# KiCad board panel.kicad_pcb (continued)
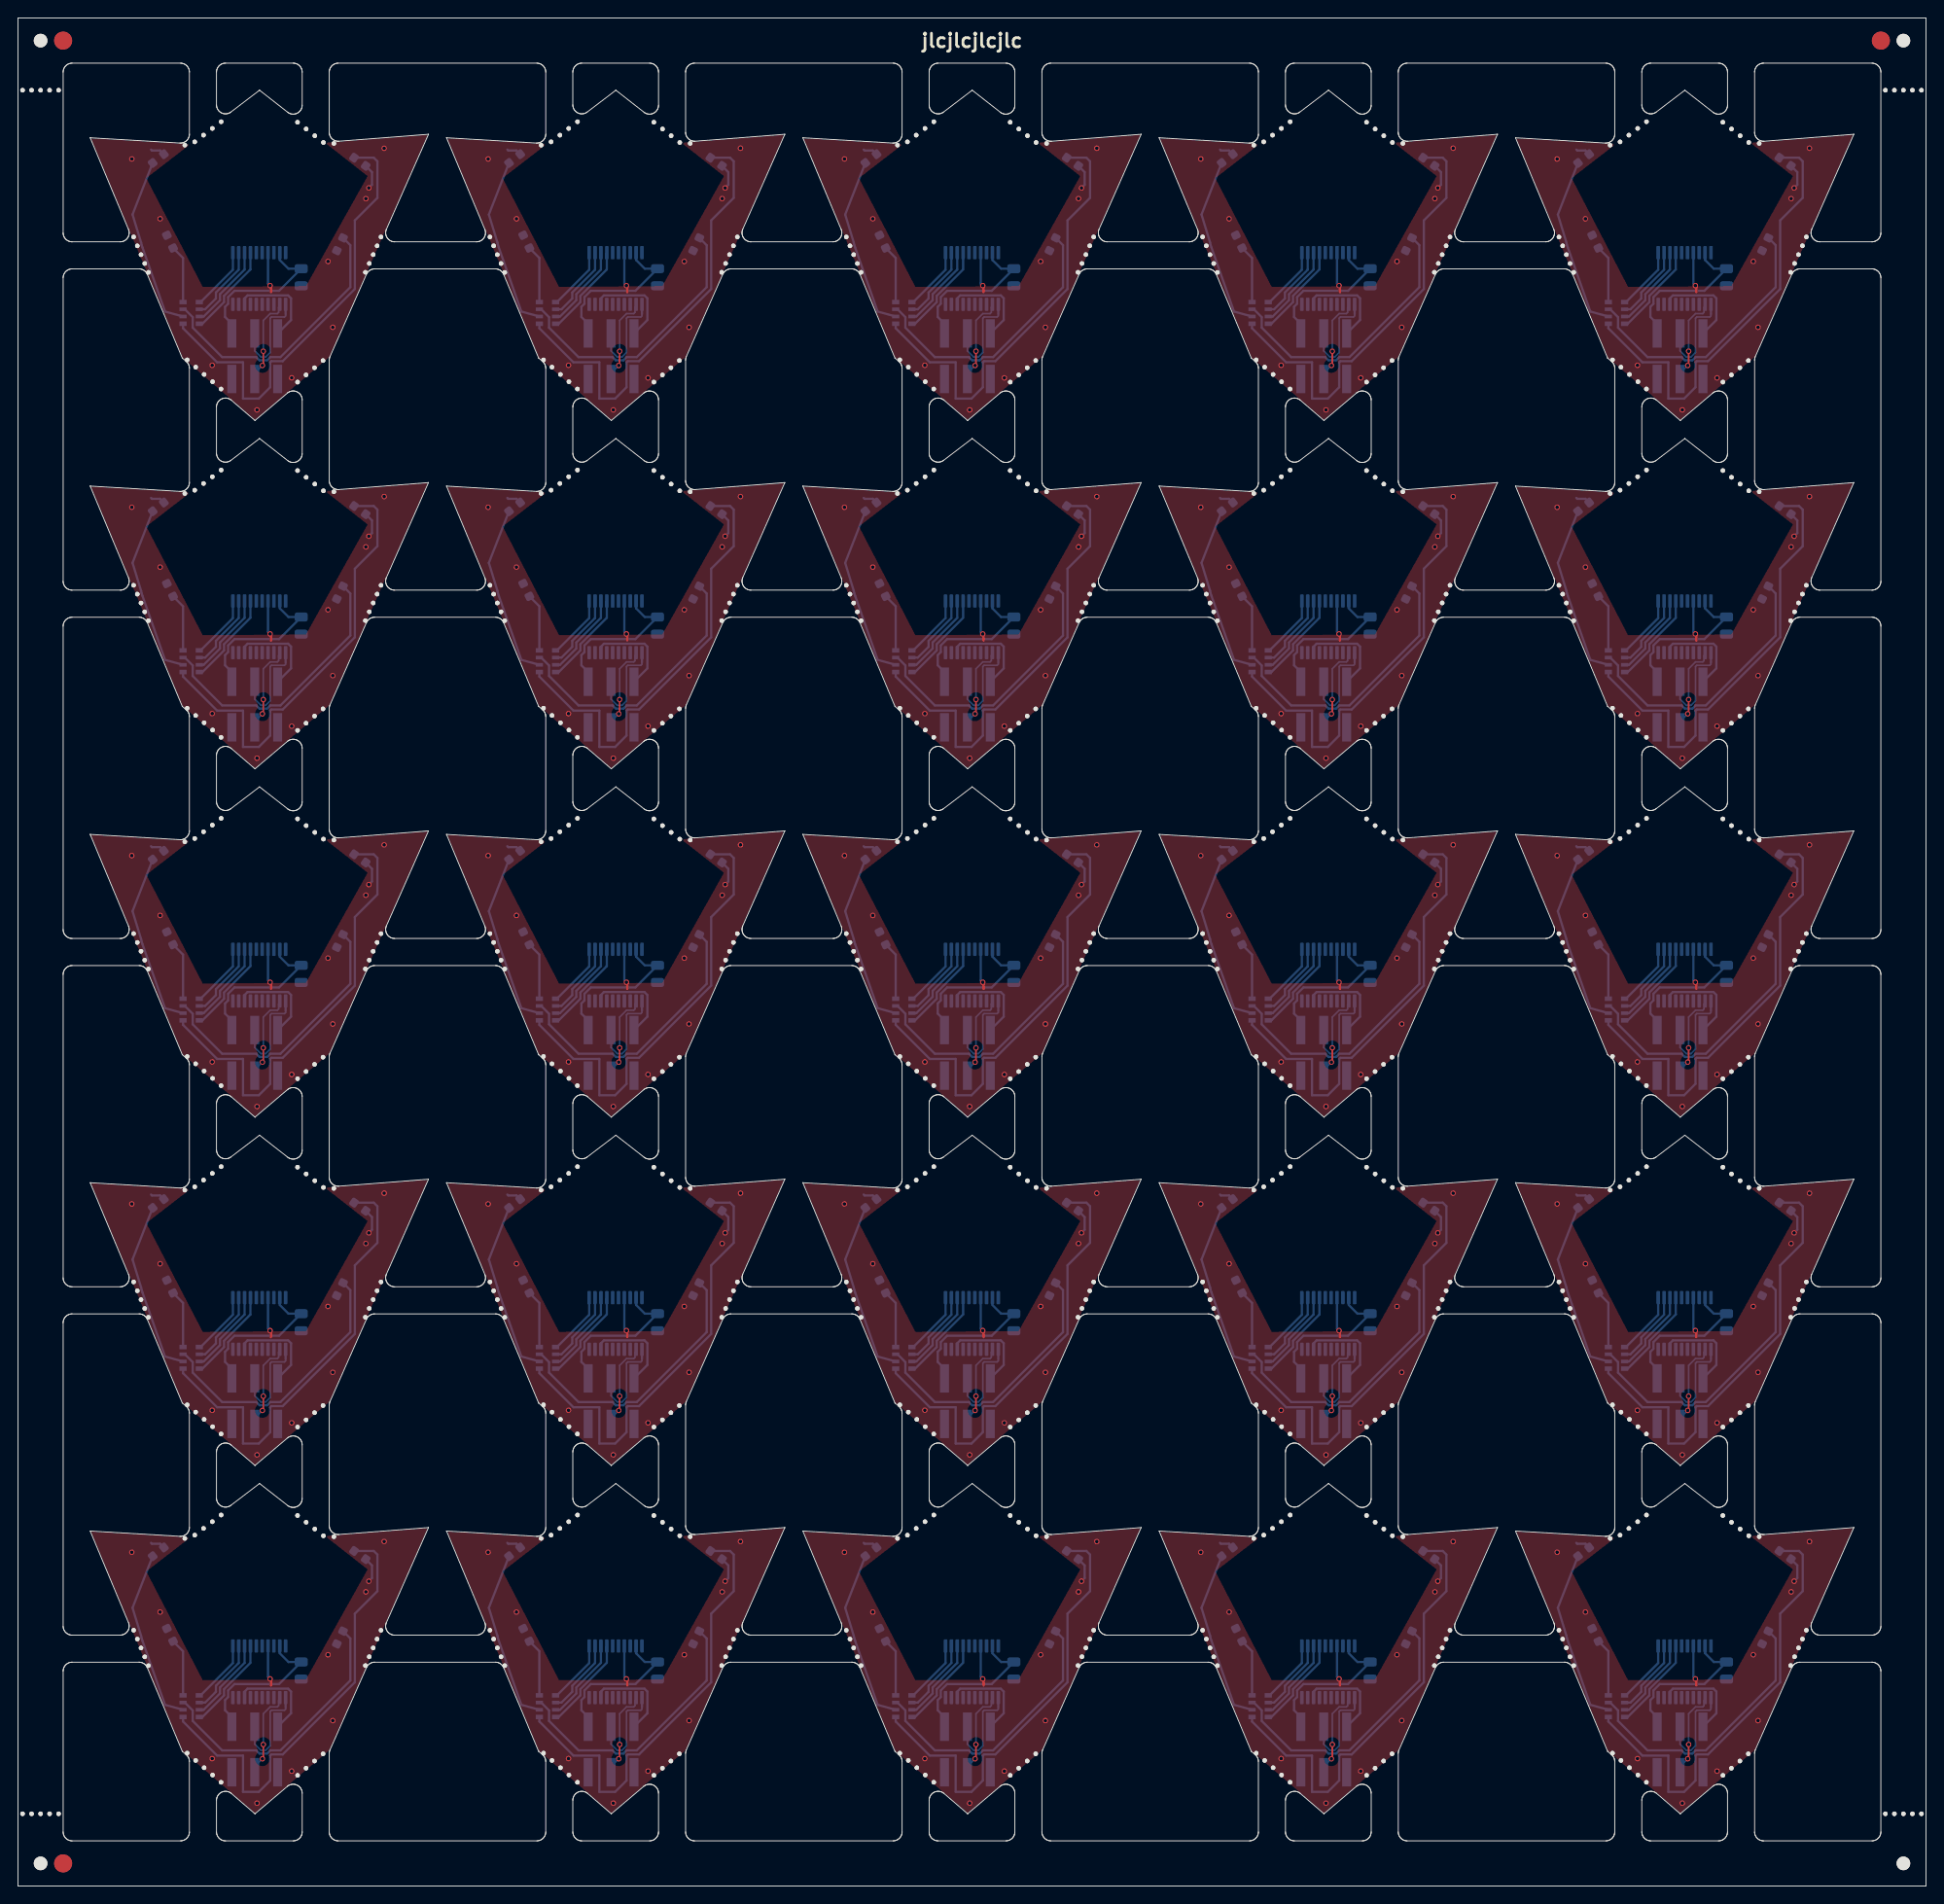
[diagram p0: board, top side]
## Placement (name value [footprint] x y rotation side) (continued)
KiKit_MB_26_2  -  [NPTH]  197.85 181.79 0 top
KiKit_MB_26_3  -  [NPTH]  197.41 180.82 0 top
KiKit_MB_26_4  -  [NPTH]  196.98 179.84 0 top
KiKit_MB_26_5  -  [NPTH]  196.54 178.86 0 top
KiKit_MB_27_1  -  [NPTH]  176.53 192.95 0 top
KiKit_MB_27_2  -  [NPTH]  177.63 193.31 0 top
KiKit_MB_27_3  -  [NPTH]  178.6 194.06 0 top
KiKit_MB_27_4  -  [NPTH]  179.58 194.8 0 top
KiKit_MB_27_5  -  [NPTH]  180.56 195.55 0 top
KiKit_MB_28_1  -  [NPTH]  189.02 195.49 0 top
KiKit_MB_28_2  -  [NPTH]  189.98 194.74 0 top
KiKit_MB_28_3  -  [NPTH]  190.94 193.99 0 top
KiKit_MB_28_4  -  [NPTH]  191.9 193.24 0 top
KiKit_MB_28_5  -  [NPTH]  193.05 193.14 0 top
KiKit_MB_29_1  -  [NPTH]  180.55 165.92 0 top
KiKit_MB_29_2  -  [NPTH]  179.61 166.73 0 top
KiKit_MB_29_3  -  [NPTH]  178.67 167.54 0 top
KiKit_MB_29_4  -  [NPTH]  177.73 168.34 0 top
KiKit_MB_29_5  -  [NPTH]  176.79 169.15 0 top
KiKit_MB_30_2  -  [NPTH]  191.85 169.08 0 top
KiKit_MB_30_3  -  [NPTH]  190.91 168.28 0 top
KiKit_MB_30_4  -  [NPTH]  189.97 167.48 0 top
KiKit_MB_30_5  -  [NPTH]  189.03 166.69 0 top
KiKit_MB_31_1  -  [NPTH]  14.46 140.24 0 top
KiKit_MB_31_2  -  [NPTH]  14.05 141.22 0 top
KiKit_MB_31_3  -  [NPTH]  13.64 142.2 0 top
KiKit_MB_31_4  -  [NPTH]  13.23 143.18 0 top
KiKit_MB_31_5  -  [NPTH]  12.82 144.17 0 top
KiKit_MB_32_1  -  [NPTH]  40.24 144.17 0 top
KiKit_MB_32_2  -  [NPTH]  39.81 143.19 0 top
KiKit_MB_32_3  -  [NPTH]  39.38 142.21 0 top
KiKit_MB_32_4  -  [NPTH]  38.94 141.23 0 top
KiKit_MB_32_5  -  [NPTH]  38.51 140.25 0 top
KiKit_MB_33_1  -  [NPTH]  18.49 154.34 0 top
KiKit_MB_33_2  -  [NPTH]  19.59 154.71 0 top
KiKit_MB_33_3  -  [NPTH]  20.57 155.45 0 top
KiKit_MB_33_4  -  [NPTH]  21.54 156.2 0 top
KiKit_MB_33_5  -  [NPTH]  22.52 156.94 0 top
KiKit_MB_34_1  -  [NPTH]  30.99 156.88 0 top
KiKit_MB_34_2  -  [NPTH]  31.95 156.13 0 top
KiKit_MB_34_3  -  [NPTH]  32.9 155.39 0 top
KiKit_MB_34_4  -  [NPTH]  33.86 154.64 0 top
KiKit_MB_34_5  -  [NPTH]  35.02 154.53 0 top
KiKit_MB_35_1  -  [NPTH]  22.51 127.31 0 top
KiKit_MB_35_2  -  [NPTH]  21.57 128.12 0 top
KiKit_MB_35_3  -  [NPTH]  20.63 128.93 0 top
KiKit_MB_35_4  -  [NPTH]  19.69 129.74 0 top
KiKit_MB_35_5  -  [NPTH]  18.75 130.54 0 top
KiKit_MB_36_2  -  [NPTH]  33.82 130.47 0 top
KiKit_MB_36_3  -  [NPTH]  32.88 129.67 0 top
KiKit_MB_36_4  -  [NPTH]  31.94 128.88 0 top
KiKit_MB_36_5  -  [NPTH]  30.99 128.08 0 top
KiKit_MB_37_1  -  [NPTH]  53.96 140.24 0 top
KiKit_MB_37_2  -  [NPTH]  53.55 141.22 0 top
KiKit_MB_37_3  -  [NPTH]  53.14 142.2 0 top
KiKit_MB_37_4  -  [NPTH]  52.73 143.18 0 top
KiKit_MB_37_5  -  [NPTH]  52.32 144.17 0 top
KiKit_MB_38_1  -  [NPTH]  79.75 144.17 0 top
KiKit_MB_38_2  -  [NPTH]  79.32 143.19 0 top
KiKit_MB_38_3  -  [NPTH]  78.89 142.21 0 top
KiKit_MB_38_4  -  [NPTH]  78.45 141.23 0 top
KiKit_MB_38_5  -  [NPTH]  78.02 140.25 0 top
KiKit_MB_39_1  -  [NPTH]  58 154.34 0 top
KiKit_MB_39_2  -  [NPTH]  59.1 154.71 0 top
KiKit_MB_39_3  -  [NPTH]  60.08 155.45 0 top
KiKit_MB_39_4  -  [NPTH]  61.05 156.2 0 top
KiKit_MB_39_5  -  [NPTH]  62.03 156.94 0 top
KiKit_MB_40_1  -  [NPTH]  70.5 156.88 0 top
KiKit_MB_40_2  -  [NPTH]  71.45 156.13 0 top
KiKit_MB_40_3  -  [NPTH]  72.41 155.39 0 top
KiKit_MB_40_4  -  [NPTH]  73.37 154.64 0 top
KiKit_MB_40_5  -  [NPTH]  74.53 154.53 0 top
KiKit_MB_41_1  -  [NPTH]  62.02 127.31 0 top
KiKit_MB_41_2  -  [NPTH]  61.08 128.12 0 top
KiKit_MB_41_3  -  [NPTH]  60.14 128.93 0 top
KiKit_MB_41_4  -  [NPTH]  59.2 129.74 0 top
KiKit_MB_41_5  -  [NPTH]  58.26 130.54 0 top
KiKit_MB_42_2  -  [NPTH]  73.33 130.47 0 top
KiKit_MB_42_3  -  [NPTH]  72.39 129.67 0 top
KiKit_MB_42_4  -  [NPTH]  71.44 128.88 0 top
KiKit_MB_42_5  -  [NPTH]  70.5 128.08 0 top
KiKit_MB_43_1  -  [NPTH]  93.47 140.24 0 top
KiKit_MB_43_2  -  [NPTH]  93.06 141.22 0 top
KiKit_MB_43_3  -  [NPTH]  92.65 142.2 0 top
KiKit_MB_43_4  -  [NPTH]  92.24 143.18 0 top
KiKit_MB_43_5  -  [NPTH]  91.83 144.17 0 top
KiKit_MB_44_1  -  [NPTH]  119.26 144.17 0 top
KiKit_MB_44_2  -  [NPTH]  118.83 143.19 0 top
KiKit_MB_44_3  -  [NPTH]  118.39 142.21 0 top
KiKit_MB_44_4  -  [NPTH]  117.96 141.23 0 top
KiKit_MB_44_5  -  [NPTH]  117.53 140.25 0 top
KiKit_MB_45_1  -  [NPTH]  97.51 154.34 0 top
KiKit_MB_45_2  -  [NPTH]  98.61 154.71 0 top
KiKit_MB_45_3  -  [NPTH]  99.59 155.45 0 top
KiKit_MB_45_4  -  [NPTH]  100.56 156.2 0 top
KiKit_MB_45_5  -  [NPTH]  101.54 156.94 0 top
KiKit_MB_46_1  -  [NPTH]  110.01 156.88 0 top
KiKit_MB_46_2  -  [NPTH]  110.96 156.13 0 top
KiKit_MB_46_3  -  [NPTH]  111.92 155.39 0 top
KiKit_MB_46_4  -  [NPTH]  112.88 154.64 0 top
KiKit_MB_46_5  -  [NPTH]  114.04 154.53 0 top
KiKit_MB_47_1  -  [NPTH]  101.53 127.31 0 top
KiKit_MB_47_2  -  [NPTH]  100.59 128.12 0 top
KiKit_MB_47_3  -  [NPTH]  99.65 128.93 0 top
KiKit_MB_47_4  -  [NPTH]  98.71 129.74 0 top
KiKit_MB_47_5  -  [NPTH]  97.77 130.54 0 top
KiKit_MB_48_2  -  [NPTH]  112.83 130.47 0 top
KiKit_MB_48_3  -  [NPTH]  111.89 129.67 0 top
KiKit_MB_48_4  -  [NPTH]  110.95 128.88 0 top
KiKit_MB_48_5  -  [NPTH]  110.01 128.08 0 top
KiKit_MB_49_1  -  [NPTH]  132.98 140.24 0 top
KiKit_MB_49_2  -  [NPTH]  132.57 141.22 0 top
KiKit_MB_49_3  -  [NPTH]  132.16 142.2 0 top
KiKit_MB_49_4  -  [NPTH]  131.75 143.18 0 top
KiKit_MB_49_5  -  [NPTH]  131.34 144.17 0 top
KiKit_MB_50_1  -  [NPTH]  158.77 144.17 0 top
KiKit_MB_50_2  -  [NPTH]  158.34 143.19 0 top
KiKit_MB_50_3  -  [NPTH]  157.9 142.21 0 top
KiKit_MB_50_4  -  [NPTH]  157.47 141.23 0 top
KiKit_MB_50_5  -  [NPTH]  157.04 140.25 0 top
KiKit_MB_51_1  -  [NPTH]  137.02 154.34 0 top
KiKit_MB_51_2  -  [NPTH]  138.12 154.71 0 top
KiKit_MB_51_3  -  [NPTH]  139.09 155.45 0 top
KiKit_MB_51_4  -  [NPTH]  140.07 156.2 0 top
KiKit_MB_51_5  -  [NPTH]  141.05 156.94 0 top
KiKit_MB_52_1  -  [NPTH]  149.51 156.88 0 top
KiKit_MB_52_2  -  [NPTH]  150.47 156.13 0 top
KiKit_MB_52_3  -  [NPTH]  151.43 155.39 0 top
KiKit_MB_52_4  -  [NPTH]  152.39 154.64 0 top
KiKit_MB_52_5  -  [NPTH]  153.55 154.53 0 top
KiKit_MB_53_1  -  [NPTH]  141.04 127.31 0 top
KiKit_MB_53_2  -  [NPTH]  140.1 128.12 0 top
KiKit_MB_53_3  -  [NPTH]  139.16 128.93 0 top
KiKit_MB_53_4  -  [NPTH]  138.22 129.74 0 top
KiKit_MB_53_5  -  [NPTH]  137.28 130.54 0 top
KiKit_MB_54_2  -  [NPTH]  152.34 130.47 0 top
KiKit_MB_54_3  -  [NPTH]  151.4 129.67 0 top
KiKit_MB_54_4  -  [NPTH]  150.46 128.88 0 top
KiKit_MB_54_5  -  [NPTH]  149.52 128.08 0 top
KiKit_MB_55_1  -  [NPTH]  172.49 140.24 0 top
KiKit_MB_55_2  -  [NPTH]  172.08 141.22 0 top
KiKit_MB_55_3  -  [NPTH]  171.67 142.2 0 top
KiKit_MB_55_4  -  [NPTH]  171.26 143.18 0 top
KiKit_MB_55_5  -  [NPTH]  170.85 144.17 0 top
KiKit_MB_56_1  -  [NPTH]  198.28 144.17 0 top
KiKit_MB_56_2  -  [NPTH]  197.85 143.19 0 top
KiKit_MB_56_3  -  [NPTH]  197.41 142.21 0 top
KiKit_MB_56_4  -  [NPTH]  196.98 141.23 0 top
KiKit_MB_56_5  -  [NPTH]  196.54 140.25 0 top
KiKit_MB_57_1  -  [NPTH]  176.53 154.34 0 top
KiKit_MB_57_2  -  [NPTH]  177.63 154.71 0 top
KiKit_MB_57_3  -  [NPTH]  178.6 155.45 0 top
KiKit_MB_57_4  -  [NPTH]  179.58 156.2 0 top
KiKit_MB_57_5  -  [NPTH]  180.56 156.94 0 top
KiKit_MB_58_1  -  [NPTH]  189.02 156.88 0 top
KiKit_MB_58_2  -  [NPTH]  189.98 156.13 0 top
KiKit_MB_58_3  -  [NPTH]  190.94 155.39 0 top
KiKit_MB_58_4  -  [NPTH]  191.9 154.64 0 top
KiKit_MB_58_5  -  [NPTH]  193.05 154.53 0 top
KiKit_MB_59_1  -  [NPTH]  180.55 127.31 0 top
KiKit_MB_59_2  -  [NPTH]  179.61 128.12 0 top
KiKit_MB_59_3  -  [NPTH]  178.67 128.93 0 top
KiKit_MB_59_4  -  [NPTH]  177.73 129.74 0 top
KiKit_MB_59_5  -  [NPTH]  176.79 130.54 0 top
KiKit_MB_60_2  -  [NPTH]  191.85 130.47 0 top
KiKit_MB_60_3  -  [NPTH]  190.91 129.67 0 top
KiKit_MB_60_4  -  [NPTH]  189.97 128.88 0 top
KiKit_MB_60_5  -  [NPTH]  189.03 128.08 0 top
KiKit_MB_61_1  -  [NPTH]  14.46 101.64 0 top
KiKit_MB_61_2  -  [NPTH]  14.05 102.62 0 top
KiKit_MB_61_3  -  [NPTH]  13.64 103.6 0 top
KiKit_MB_61_4  -  [NPTH]  13.23 104.58 0 top
KiKit_MB_61_5  -  [NPTH]  12.82 105.56 0 top
KiKit_MB_62_1  -  [NPTH]  40.24 105.56 0 top
KiKit_MB_62_2  -  [NPTH]  39.81 104.58 0 top
KiKit_MB_62_3  -  [NPTH]  39.38 103.6 0 top
KiKit_MB_62_4  -  [NPTH]  38.94 102.62 0 top
KiKit_MB_62_5  -  [NPTH]  38.51 101.64 0 top
KiKit_MB_63_1  -  [NPTH]  18.49 115.73 0 top
KiKit_MB_63_2  -  [NPTH]  19.59 116.1 0 top
KiKit_MB_63_3  -  [NPTH]  20.57 116.84 0 top
KiKit_MB_63_4  -  [NPTH]  21.54 117.59 0 top
KiKit_MB_63_5  -  [NPTH]  22.52 118.33 0 top
KiKit_MB_64_1  -  [NPTH]  30.99 118.27 0 top
KiKit_MB_64_2  -  [NPTH]  31.95 117.53 0 top
KiKit_MB_64_3  -  [NPTH]  32.9 116.78 0 top
KiKit_MB_64_4  -  [NPTH]  33.86 116.03 0 top
KiKit_MB_64_5  -  [NPTH]  35.02 115.93 0 top
KiKit_MB_65_1  -  [NPTH]  22.51 88.71 0 top
KiKit_MB_65_2  -  [NPTH]  21.57 89.51 0 top
KiKit_MB_65_3  -  [NPTH]  20.63 90.32 0 top
KiKit_MB_65_4  -  [NPTH]  19.69 91.13 0 top
KiKit_MB_65_5  -  [NPTH]  18.75 91.93 0 top
KiKit_MB_66_2  -  [NPTH]  33.82 91.86 0 top
KiKit_MB_66_3  -  [NPTH]  32.88 91.06 0 top
KiKit_MB_66_4  -  [NPTH]  31.94 90.27 0 top
KiKit_MB_66_5  -  [NPTH]  30.99 89.47 0 top
KiKit_MB_67_1  -  [NPTH]  53.96 101.64 0 top
KiKit_MB_67_2  -  [NPTH]  53.55 102.62 0 top
KiKit_MB_67_3  -  [NPTH]  53.14 103.6 0 top
KiKit_MB_67_4  -  [NPTH]  52.73 104.58 0 top
KiKit_MB_67_5  -  [NPTH]  52.32 105.56 0 top
KiKit_MB_68_1  -  [NPTH]  79.75 105.56 0 top
KiKit_MB_68_2  -  [NPTH]  79.32 104.58 0 top
KiKit_MB_68_3  -  [NPTH]  78.89 103.6 0 top
KiKit_MB_68_4  -  [NPTH]  78.45 102.62 0 top
KiKit_MB_68_5  -  [NPTH]  78.02 101.64 0 top
KiKit_MB_69_1  -  [NPTH]  58 115.73 0 top
KiKit_MB_69_2  -  [NPTH]  59.1 116.1 0 top
KiKit_MB_69_3  -  [NPTH]  60.08 116.84 0 top
KiKit_MB_69_4  -  [NPTH]  61.05 117.59 0 top
KiKit_MB_69_5  -  [NPTH]  62.03 118.33 0 top
KiKit_MB_70_1  -  [NPTH]  70.5 118.27 0 top
KiKit_MB_70_2  -  [NPTH]  71.45 117.53 0 top
KiKit_MB_70_3  -  [NPTH]  72.41 116.78 0 top
KiKit_MB_70_4  -  [NPTH]  73.37 116.03 0 top
KiKit_MB_70_5  -  [NPTH]  74.53 115.93 0 top
KiKit_MB_71_1  -  [NPTH]  62.02 88.71 0 top
KiKit_MB_71_2  -  [NPTH]  61.08 89.51 0 top
KiKit_MB_71_3  -  [NPTH]  60.14 90.32 0 top
KiKit_MB_71_4  -  [NPTH]  59.2 91.13 0 top
KiKit_MB_71_5  -  [NPTH]  58.26 91.93 0 top
KiKit_MB_72_2  -  [NPTH]  73.33 91.86 0 top
KiKit_MB_72_3  -  [NPTH]  72.39 91.06 0 top
KiKit_MB_72_4  -  [NPTH]  71.44 90.27 0 top
KiKit_MB_72_5  -  [NPTH]  70.5 89.47 0 top
KiKit_MB_73_1  -  [NPTH]  93.47 101.64 0 top
KiKit_MB_73_2  -  [NPTH]  93.06 102.62 0 top
KiKit_MB_73_3  -  [NPTH]  92.65 103.6 0 top
KiKit_MB_73_4  -  [NPTH]  92.24 104.58 0 top
KiKit_MB_73_5  -  [NPTH]  91.83 105.56 0 top
KiKit_MB_74_1  -  [NPTH]  119.26 105.56 0 top
KiKit_MB_74_2  -  [NPTH]  118.83 104.58 0 top
KiKit_MB_74_3  -  [NPTH]  118.39 103.6 0 top
KiKit_MB_74_4  -  [NPTH]  117.96 102.62 0 top
KiKit_MB_74_5  -  [NPTH]  117.53 101.64 0 top
KiKit_MB_75_1  -  [NPTH]  97.51 115.73 0 top
KiKit_MB_75_2  -  [NPTH]  98.61 116.1 0 top
KiKit_MB_75_3  -  [NPTH]  99.59 116.84 0 top
KiKit_MB_75_4  -  [NPTH]  100.56 117.59 0 top
KiKit_MB_75_5  -  [NPTH]  101.54 118.33 0 top
KiKit_MB_76_1  -  [NPTH]  110.01 118.27 0 top
KiKit_MB_76_2  -  [NPTH]  110.96 117.53 0 top
KiKit_MB_76_3  -  [NPTH]  111.92 116.78 0 top
KiKit_MB_76_4  -  [NPTH]  112.88 116.03 0 top
KiKit_MB_76_5  -  [NPTH]  114.04 115.93 0 top
KiKit_MB_77_1  -  [NPTH]  101.53 88.71 0 top
KiKit_MB_77_2  -  [NPTH]  100.59 89.51 0 top
KiKit_MB_77_3  -  [NPTH]  99.65 90.32 0 top
KiKit_MB_77_4  -  [NPTH]  98.71 91.13 0 top
KiKit_MB_77_5  -  [NPTH]  97.77 91.93 0 top
KiKit_MB_78_2  -  [NPTH]  112.83 91.86 0 top
KiKit_MB_78_3  -  [NPTH]  111.89 91.06 0 top
KiKit_MB_78_4  -  [NPTH]  110.95 90.27 0 top
KiKit_MB_78_5  -  [NPTH]  110.01 89.47 0 top
KiKit_MB_79_1  -  [NPTH]  132.98 101.64 0 top
KiKit_MB_79_2  -  [NPTH]  132.57 102.62 0 top
KiKit_MB_79_3  -  [NPTH]  132.16 103.6 0 top
KiKit_MB_79_4  -  [NPTH]  131.75 104.58 0 top
KiKit_MB_79_5  -  [NPTH]  131.34 105.56 0 top
KiKit_MB_80_1  -  [NPTH]  158.77 105.56 0 top
KiKit_MB_80_2  -  [NPTH]  158.34 104.58 0 top
KiKit_MB_80_3  -  [NPTH]  157.9 103.6 0 top
KiKit_MB_80_4  -  [NPTH]  157.47 102.62 0 top
KiKit_MB_80_5  -  [NPTH]  157.04 101.64 0 top
KiKit_MB_81_1  -  [NPTH]  137.02 115.73 0 top
KiKit_MB_81_2  -  [NPTH]  138.12 116.1 0 top
KiKit_MB_81_3  -  [NPTH]  139.09 116.84 0 top
KiKit_MB_81_4  -  [NPTH]  140.07 117.59 0 top
KiKit_MB_81_5  -  [NPTH]  141.05 118.33 0 top
KiKit_MB_82_1  -  [NPTH]  149.51 118.27 0 top
KiKit_MB_82_2  -  [NPTH]  150.47 117.53 0 top
KiKit_MB_82_3  -  [NPTH]  151.43 116.78 0 top
KiKit_MB_82_4  -  [NPTH]  152.39 116.03 0 top
KiKit_MB_82_5  -  [NPTH]  153.55 115.93 0 top
KiKit_MB_83_1  -  [NPTH]  141.04 88.71 0 top
KiKit_MB_83_2  -  [NPTH]  140.1 89.51 0 top
KiKit_MB_83_3  -  [NPTH]  139.16 90.32 0 top
KiKit_MB_83_4  -  [NPTH]  138.22 91.13 0 top
KiKit_MB_83_5  -  [NPTH]  137.28 91.93 0 top
KiKit_MB_84_2  -  [NPTH]  152.34 91.86 0 top
KiKit_MB_84_3  -  [NPTH]  151.4 91.06 0 top
KiKit_MB_84_4  -  [NPTH]  150.46 90.27 0 top
KiKit_MB_84_5  -  [NPTH]  149.52 89.47 0 top
KiKit_MB_85_1  -  [NPTH]  172.49 101.64 0 top
KiKit_MB_85_2  -  [NPTH]  172.08 102.62 0 top
KiKit_MB_85_3  -  [NPTH]  171.67 103.6 0 top
KiKit_MB_85_4  -  [NPTH]  171.26 104.58 0 top
KiKit_MB_85_5  -  [NPTH]  170.85 105.56 0 top
KiKit_MB_86_1  -  [NPTH]  198.28 105.56 0 top
KiKit_MB_86_2  -  [NPTH]  197.85 104.58 0 top
KiKit_MB_86_3  -  [NPTH]  197.41 103.6 0 top
KiKit_MB_86_4  -  [NPTH]  196.98 102.62 0 top
KiKit_MB_86_5  -  [NPTH]  196.54 101.64 0 top
KiKit_MB_87_1  -  [NPTH]  176.53 115.73 0 top
KiKit_MB_87_2  -  [NPTH]  177.63 116.1 0 top
KiKit_MB_87_3  -  [NPTH]  178.6 116.84 0 top
KiKit_MB_87_4  -  [NPTH]  179.58 117.59 0 top
KiKit_MB_87_5  -  [NPTH]  180.56 118.33 0 top
KiKit_MB_88_1  -  [NPTH]  189.02 118.27 0 top
KiKit_MB_88_2  -  [NPTH]  189.98 117.53 0 top
KiKit_MB_88_3  -  [NPTH]  190.94 116.78 0 top
KiKit_MB_88_4  -  [NPTH]  191.9 116.03 0 top
KiKit_MB_88_5  -  [NPTH]  193.05 115.93 0 top
KiKit_MB_89_1  -  [NPTH]  180.55 88.71 0 top
KiKit_MB_89_2  -  [NPTH]  179.61 89.51 0 top
KiKit_MB_89_3  -  [NPTH]  178.67 90.32 0 top
KiKit_MB_89_4  -  [NPTH]  177.73 91.13 0 top
KiKit_MB_89_5  -  [NPTH]  176.79 91.93 0 top
KiKit_MB_90_2  -  [NPTH]  191.85 91.86 0 top
KiKit_MB_90_3  -  [NPTH]  190.91 91.06 0 top
KiKit_MB_90_4  -  [NPTH]  189.97 90.27 0 top
KiKit_MB_90_5  -  [NPTH]  189.03 89.47 0 top
KiKit_MB_91_1  -  [NPTH]  14.46 63.03 0 top
KiKit_MB_91_2  -  [NPTH]  14.05 64.01 0 top
KiKit_MB_91_3  -  [NPTH]  13.64 64.99 0 top
KiKit_MB_91_4  -  [NPTH]  13.23 65.97 0 top
KiKit_MB_91_5  -  [NPTH]  12.82 66.95 0 top
KiKit_MB_92_1  -  [NPTH]  40.24 66.95 0 top
KiKit_MB_92_2  -  [NPTH]  39.81 65.97 0 top
KiKit_MB_92_3  -  [NPTH]  39.38 64.99 0 top
KiKit_MB_92_4  -  [NPTH]  38.94 64.01 0 top
KiKit_MB_92_5  -  [NPTH]  38.51 63.04 0 top
KiKit_MB_93_1  -  [NPTH]  18.49 77.13 0 top
KiKit_MB_93_2  -  [NPTH]  19.59 77.49 0 top
KiKit_MB_93_3  -  [NPTH]  20.57 78.24 0 top
KiKit_MB_93_4  -  [NPTH]  21.54 78.98 0 top
KiKit_MB_93_5  -  [NPTH]  22.52 79.72 0 top
KiKit_MB_94_1  -  [NPTH]  30.99 79.67 0 top
KiKit_MB_94_2  -  [NPTH]  31.95 78.92 0 top
KiKit_MB_94_3  -  [NPTH]  32.9 78.17 0 top
KiKit_MB_94_4  -  [NPTH]  33.86 77.42 0 top
KiKit_MB_94_5  -  [NPTH]  35.02 77.32 0 top
KiKit_MB_95_1  -  [NPTH]  22.51 50.1 0 top
KiKit_MB_95_2  -  [NPTH]  21.57 50.91 0 top
KiKit_MB_95_3  -  [NPTH]  20.63 51.71 0 top
KiKit_MB_95_4  -  [NPTH]  19.69 52.52 0 top
KiKit_MB_95_5  -  [NPTH]  18.75 53.33 0 top
KiKit_MB_96_2  -  [NPTH]  33.82 53.25 0 top
KiKit_MB_96_3  -  [NPTH]  32.88 52.46 0 top
KiKit_MB_96_4  -  [NPTH]  31.94 51.66 0 top
KiKit_MB_96_5  -  [NPTH]  30.99 50.87 0 top
KiKit_MB_97_1  -  [NPTH]  53.96 63.03 0 top
KiKit_MB_97_2  -  [NPTH]  53.55 64.01 0 top
KiKit_MB_97_3  -  [NPTH]  53.14 64.99 0 top
KiKit_MB_97_4  -  [NPTH]  52.73 65.97 0 top
KiKit_MB_97_5  -  [NPTH]  52.32 66.95 0 top
KiKit_MB_98_1  -  [NPTH]  79.75 66.95 0 top
KiKit_MB_98_2  -  [NPTH]  79.32 65.97 0 top
KiKit_MB_98_3  -  [NPTH]  78.89 64.99 0 top
KiKit_MB_98_4  -  [NPTH]  78.45 64.01 0 top
KiKit_MB_98_5  -  [NPTH]  78.02 63.04 0 top
KiKit_MB_99_1  -  [NPTH]  58 77.13 0 top
KiKit_MB_99_2  -  [NPTH]  59.1 77.49 0 top
KiKit_MB_99_3  -  [NPTH]  60.08 78.24 0 top
KiKit_MB_99_4  -  [NPTH]  61.05 78.98 0 top
KiKit_MB_99_5  -  [NPTH]  62.03 79.72 0 top
KiKit_MB_100_1  -  [NPTH]  70.5 79.67 0 top
KiKit_MB_100_2  -  [NPTH]  71.45 78.92 0 top
KiKit_MB_100_3  -  [NPTH]  72.41 78.17 0 top
KiKit_MB_100_4  -  [NPTH]  73.37 77.42 0 top
KiKit_MB_100_5  -  [NPTH]  74.53 77.32 0 top
KiKit_MB_101_1  -  [NPTH]  62.02 50.1 0 top
KiKit_MB_101_2  -  [NPTH]  61.08 50.91 0 top
KiKit_MB_101_3  -  [NPTH]  60.14 51.71 0 top
KiKit_MB_101_4  -  [NPTH]  59.2 52.52 0 top
KiKit_MB_101_5  -  [NPTH]  58.26 53.33 0 top
KiKit_MB_102_2  -  [NPTH]  73.33 53.25 0 top
KiKit_MB_102_3  -  [NPTH]  72.39 52.46 0 top
KiKit_MB_102_4  -  [NPTH]  71.44 51.66 0 top
KiKit_MB_102_5  -  [NPTH]  70.5 50.87 0 top
KiKit_MB_103_1  -  [NPTH]  93.47 63.03 0 top
KiKit_MB_103_2  -  [NPTH]  93.06 64.01 0 top
KiKit_MB_103_3  -  [NPTH]  92.65 64.99 0 top
KiKit_MB_103_4  -  [NPTH]  92.24 65.97 0 top
KiKit_MB_103_5  -  [NPTH]  91.83 66.95 0 top
KiKit_MB_104_1  -  [NPTH]  119.26 66.95 0 top
KiKit_MB_104_2  -  [NPTH]  118.83 65.97 0 top
KiKit_MB_104_3  -  [NPTH]  118.39 64.99 0 top
KiKit_MB_104_4  -  [NPTH]  117.96 64.01 0 top
KiKit_MB_104_5  -  [NPTH]  117.53 63.04 0 top
KiKit_MB_105_1  -  [NPTH]  97.51 77.13 0 top
KiKit_MB_105_2  -  [NPTH]  98.61 77.49 0 top
KiKit_MB_105_3  -  [NPTH]  99.59 78.24 0 top
KiKit_MB_105_4  -  [NPTH]  100.56 78.98 0 top
KiKit_MB_105_5  -  [NPTH]  101.54 79.72 0 top
KiKit_MB_106_1  -  [NPTH]  110.01 79.67 0 top
KiKit_MB_106_2  -  [NPTH]  110.96 78.92 0 top
KiKit_MB_106_3  -  [NPTH]  111.92 78.17 0 top
KiKit_MB_106_4  -  [NPTH]  112.88 77.42 0 top
KiKit_MB_106_5  -  [NPTH]  114.04 77.32 0 top
KiKit_MB_107_1  -  [NPTH]  101.53 50.1 0 top
KiKit_MB_107_2  -  [NPTH]  100.59 50.91 0 top
KiKit_MB_107_3  -  [NPTH]  99.65 51.71 0 top
KiKit_MB_107_4  -  [NPTH]  98.71 52.52 0 top
KiKit_MB_107_5  -  [NPTH]  97.77 53.33 0 top
KiKit_MB_108_2  -  [NPTH]  112.83 53.25 0 top
KiKit_MB_108_3  -  [NPTH]  111.89 52.46 0 top
KiKit_MB_108_4  -  [NPTH]  110.95 51.66 0 top
KiKit_MB_108_5  -  [NPTH]  110.01 50.87 0 top
KiKit_MB_109_1  -  [NPTH]  132.98 63.03 0 top
KiKit_MB_109_2  -  [NPTH]  132.57 64.01 0 top
KiKit_MB_109_3  -  [NPTH]  132.16 64.99 0 top
KiKit_MB_109_4  -  [NPTH]  131.75 65.97 0 top
KiKit_MB_109_5  -  [NPTH]  131.34 66.95 0 top
KiKit_MB_110_1  -  [NPTH]  158.77 66.95 0 top
KiKit_MB_110_2  -  [NPTH]  158.34 65.97 0 top
KiKit_MB_110_3  -  [NPTH]  157.9 64.99 0 top
KiKit_MB_110_4  -  [NPTH]  157.47 64.01 0 top
KiKit_MB_110_5  -  [NPTH]  157.04 63.04 0 top
KiKit_MB_111_1  -  [NPTH]  137.02 77.13 0 top
KiKit_MB_111_2  -  [NPTH]  138.12 77.49 0 top
KiKit_MB_111_3  -  [NPTH]  139.09 78.24 0 top
KiKit_MB_111_4  -  [NPTH]  140.07 78.98 0 top
KiKit_MB_111_5  -  [NPTH]  141.05 79.72 0 top
KiKit_MB_112_1  -  [NPTH]  149.51 79.67 0 top
KiKit_MB_112_2  -  [NPTH]  150.47 78.92 0 top
KiKit_MB_112_3  -  [NPTH]  151.43 78.17 0 top
KiKit_MB_112_4  -  [NPTH]  152.39 77.42 0 top
KiKit_MB_112_5  -  [NPTH]  153.55 77.32 0 top
KiKit_MB_113_1  -  [NPTH]  141.04 50.1 0 top
KiKit_MB_113_2  -  [NPTH]  140.1 50.91 0 top
KiKit_MB_113_3  -  [NPTH]  139.16 51.71 0 top
KiKit_MB_113_4  -  [NPTH]  138.22 52.52 0 top
KiKit_MB_113_5  -  [NPTH]  137.28 53.33 0 top
KiKit_MB_114_2  -  [NPTH]  152.34 53.25 0 top
KiKit_MB_114_3  -  [NPTH]  151.4 52.46 0 top
KiKit_MB_114_4  -  [NPTH]  150.46 51.66 0 top
KiKit_MB_114_5  -  [NPTH]  149.52 50.87 0 top
KiKit_MB_115_1  -  [NPTH]  172.49 63.03 0 top
KiKit_MB_115_2  -  [NPTH]  172.08 64.01 0 top
KiKit_MB_115_3  -  [NPTH]  171.67 64.99 0 top
KiKit_MB_115_4  -  [NPTH]  171.26 65.97 0 top
KiKit_MB_115_5  -  [NPTH]  170.85 66.95 0 top
KiKit_MB_116_1  -  [NPTH]  198.28 66.95 0 top
KiKit_MB_116_2  -  [NPTH]  197.85 65.97 0 top
KiKit_MB_116_3  -  [NPTH]  197.41 64.99 0 top
KiKit_MB_116_4  -  [NPTH]  196.98 64.01 0 top
KiKit_MB_116_5  -  [NPTH]  196.54 63.04 0 top
KiKit_MB_117_1  -  [NPTH]  176.53 77.13 0 top
KiKit_MB_117_2  -  [NPTH]  177.63 77.49 0 top
KiKit_MB_117_3  -  [NPTH]  178.6 78.24 0 top
KiKit_MB_117_4  -  [NPTH]  179.58 78.98 0 top
KiKit_MB_117_5  -  [NPTH]  180.56 79.72 0 top
KiKit_MB_118_1  -  [NPTH]  189.02 79.67 0 top
KiKit_MB_118_2  -  [NPTH]  189.98 78.92 0 top
KiKit_MB_118_3  -  [NPTH]  190.94 78.17 0 top
KiKit_MB_118_4  -  [NPTH]  191.9 77.42 0 top
KiKit_MB_118_5  -  [NPTH]  193.05 77.32 0 top
KiKit_MB_119_1  -  [NPTH]  180.55 50.1 0 top
KiKit_MB_119_2  -  [NPTH]  179.61 50.91 0 top
KiKit_MB_119_3  -  [NPTH]  178.67 51.71 0 top
KiKit_MB_119_4  -  [NPTH]  177.73 52.52 0 top
KiKit_MB_119_5  -  [NPTH]  176.79 53.33 0 top
KiKit_MB_120_2  -  [NPTH]  191.85 53.25 0 top
KiKit_MB_120_3  -  [NPTH]  190.91 52.46 0 top
KiKit_MB_120_4  -  [NPTH]  189.97 51.66 0 top
KiKit_MB_120_5  -  [NPTH]  189.03 50.87 0 top
KiKit_MB_121_1  -  [NPTH]  14.46 24.42 0 top
KiKit_MB_121_2  -  [NPTH]  14.05 25.4 0 top
KiKit_MB_121_3  -  [NPTH]  13.64 26.38 0 top
KiKit_MB_121_4  -  [NPTH]  13.23 27.36 0 top
KiKit_MB_121_5  -  [NPTH]  12.82 28.34 0 top
KiKit_MB_122_1  -  [NPTH]  40.24 28.34 0 top
KiKit_MB_122_2  -  [NPTH]  39.81 27.36 0 top
KiKit_MB_122_3  -  [NPTH]  39.38 26.38 0 top
KiKit_MB_122_4  -  [NPTH]  38.94 25.41 0 top
KiKit_MB_122_5  -  [NPTH]  38.51 24.43 0 top
KiKit_MB_123_1  -  [NPTH]  18.49 38.52 0 top
KiKit_MB_123_2  -  [NPTH]  19.59 38.88 0 top
KiKit_MB_123_3  -  [NPTH]  20.57 39.63 0 top
KiKit_MB_123_4  -  [NPTH]  21.54 40.37 0 top
KiKit_MB_123_5  -  [NPTH]  22.52 41.12 0 top
KiKit_MB_124_1  -  [NPTH]  30.99 41.06 0 top
KiKit_MB_124_2  -  [NPTH]  31.95 40.31 0 top
KiKit_MB_124_3  -  [NPTH]  32.9 39.56 0 top
KiKit_MB_124_4  -  [NPTH]  33.86 38.81 0 top
KiKit_MB_124_5  -  [NPTH]  35.02 38.71 0 top
KiKit_MB_125_1  -  [NPTH]  22.51 11.49 0 top
KiKit_MB_125_2  -  [NPTH]  21.57 12.3 0 top
KiKit_MB_125_3  -  [NPTH]  20.63 13.1 0 top
KiKit_MB_125_4  -  [NPTH]  19.69 13.91 0 top
KiKit_MB_125_5  -  [NPTH]  18.75 14.72 0 top
KiKit_MB_126_2  -  [NPTH]  33.82 14.64 0 top
KiKit_MB_126_3  -  [NPTH]  32.88 13.85 0 top
KiKit_MB_126_4  -  [NPTH]  31.94 13.05 0 top
KiKit_MB_126_5  -  [NPTH]  30.99 12.26 0 top
KiKit_MB_127_1  -  [NPTH]  53.96 24.42 0 top
KiKit_MB_127_2  -  [NPTH]  53.55 25.4 0 top
KiKit_MB_127_3  -  [NPTH]  53.14 26.38 0 top
KiKit_MB_127_4  -  [NPTH]  52.73 27.36 0 top
KiKit_MB_127_5  -  [NPTH]  52.32 28.34 0 top
KiKit_MB_128_1  -  [NPTH]  79.75 28.34 0 top
KiKit_MB_128_2  -  [NPTH]  79.32 27.36 0 top
KiKit_MB_128_3  -  [NPTH]  78.89 26.38 0 top
KiKit_MB_128_4  -  [NPTH]  78.45 25.41 0 top
KiKit_MB_128_5  -  [NPTH]  78.02 24.43 0 top
KiKit_MB_129_1  -  [NPTH]  58 38.52 0 top
KiKit_MB_129_2  -  [NPTH]  59.1 38.88 0 top
KiKit_MB_129_3  -  [NPTH]  60.08 39.63 0 top
KiKit_MB_129_4  -  [NPTH]  61.05 40.37 0 top
KiKit_MB_129_5  -  [NPTH]  62.03 41.12 0 top
KiKit_MB_130_1  -  [NPTH]  70.5 41.06 0 top
KiKit_MB_130_2  -  [NPTH]  71.45 40.31 0 top
KiKit_MB_130_3  -  [NPTH]  72.41 39.56 0 top
KiKit_MB_130_4  -  [NPTH]  73.37 38.81 0 top
KiKit_MB_130_5  -  [NPTH]  74.53 38.71 0 top
KiKit_MB_131_1  -  [NPTH]  62.02 11.49 0 top
KiKit_MB_131_2  -  [NPTH]  61.08 12.3 0 top
KiKit_MB_131_3  -  [NPTH]  60.14 13.1 0 top
KiKit_MB_131_4  -  [NPTH]  59.2 13.91 0 top
KiKit_MB_131_5  -  [NPTH]  58.26 14.72 0 top
KiKit_MB_132_2  -  [NPTH]  73.33 14.64 0 top
KiKit_MB_132_3  -  [NPTH]  72.39 13.85 0 top
KiKit_MB_132_4  -  [NPTH]  71.44 13.05 0 top
KiKit_MB_132_5  -  [NPTH]  70.5 12.26 0 top
KiKit_MB_133_1  -  [NPTH]  93.47 24.42 0 top
KiKit_MB_133_2  -  [NPTH]  93.06 25.4 0 top
KiKit_MB_133_3  -  [NPTH]  92.65 26.38 0 top
KiKit_MB_133_4  -  [NPTH]  92.24 27.36 0 top
KiKit_MB_133_5  -  [NPTH]  91.83 28.34 0 top
KiKit_MB_134_1  -  [NPTH]  119.26 28.34 0 top
KiKit_MB_134_2  -  [NPTH]  118.83 27.36 0 top
KiKit_MB_134_3  -  [NPTH]  118.39 26.38 0 top
KiKit_MB_134_4  -  [NPTH]  117.96 25.41 0 top
KiKit_MB_134_5  -  [NPTH]  117.53 24.43 0 top
KiKit_MB_135_1  -  [NPTH]  97.51 38.52 0 top
KiKit_MB_135_2  -  [NPTH]  98.61 38.88 0 top
KiKit_MB_135_3  -  [NPTH]  99.59 39.63 0 top
KiKit_MB_135_4  -  [NPTH]  100.56 40.37 0 top
KiKit_MB_135_5  -  [NPTH]  101.54 41.12 0 top
KiKit_MB_136_1  -  [NPTH]  110.01 41.06 0 top
KiKit_MB_136_2  -  [NPTH]  110.96 40.31 0 top
KiKit_MB_136_3  -  [NPTH]  111.92 39.56 0 top
KiKit_MB_136_4  -  [NPTH]  112.88 38.81 0 top
KiKit_MB_136_5  -  [NPTH]  114.04 38.71 0 top
KiKit_MB_137_1  -  [NPTH]  101.53 11.49 0 top
KiKit_MB_137_2  -  [NPTH]  100.59 12.3 0 top
KiKit_MB_137_3  -  [NPTH]  99.65 13.1 0 top
KiKit_MB_137_4  -  [NPTH]  98.71 13.91 0 top
KiKit_MB_137_5  -  [NPTH]  97.77 14.72 0 top
KiKit_MB_138_2  -  [NPTH]  112.83 14.64 0 top
KiKit_MB_138_3  -  [NPTH]  111.89 13.85 0 top
KiKit_MB_138_4  -  [NPTH]  110.95 13.05 0 top
KiKit_MB_138_5  -  [NPTH]  110.01 12.26 0 top
KiKit_MB_139_1  -  [NPTH]  132.98 24.42 0 top
KiKit_MB_139_2  -  [NPTH]  132.57 25.4 0 top
KiKit_MB_139_3  -  [NPTH]  132.16 26.38 0 top
KiKit_MB_139_4  -  [NPTH]  131.75 27.36 0 top
KiKit_MB_139_5  -  [NPTH]  131.34 28.34 0 top
KiKit_MB_140_1  -  [NPTH]  158.77 28.34 0 top
KiKit_MB_140_2  -  [NPTH]  158.34 27.36 0 top
KiKit_MB_140_3  -  [NPTH]  157.9 26.38 0 top
KiKit_MB_140_4  -  [NPTH]  157.47 25.41 0 top
KiKit_MB_140_5  -  [NPTH]  157.04 24.43 0 top
KiKit_MB_141_1  -  [NPTH]  137.02 38.52 0 top
KiKit_MB_141_2  -  [NPTH]  138.12 38.88 0 top
KiKit_MB_141_3  -  [NPTH]  139.09 39.63 0 top
KiKit_MB_141_4  -  [NPTH]  140.07 40.37 0 top
KiKit_MB_141_5  -  [NPTH]  141.05 41.12 0 top
KiKit_MB_142_1  -  [NPTH]  149.51 41.06 0 top
KiKit_MB_142_2  -  [NPTH]  150.47 40.31 0 top
KiKit_MB_142_3  -  [NPTH]  151.43 39.56 0 top
KiKit_MB_142_4  -  [NPTH]  152.39 38.81 0 top
KiKit_MB_142_5  -  [NPTH]  153.55 38.71 0 top
KiKit_MB_143_1  -  [NPTH]  141.04 11.49 0 top
KiKit_MB_143_2  -  [NPTH]  140.1 12.3 0 top
KiKit_MB_143_3  -  [NPTH]  139.16 13.1 0 top
KiKit_MB_143_4  -  [NPTH]  138.22 13.91 0 top
KiKit_MB_143_5  -  [NPTH]  137.28 14.72 0 top
KiKit_MB_144_2  -  [NPTH]  152.34 14.64 0 top
KiKit_MB_144_3  -  [NPTH]  151.4 13.85 0 top
KiKit_MB_144_4  -  [NPTH]  150.46 13.05 0 top
KiKit_MB_144_5  -  [NPTH]  149.52 12.26 0 top
KiKit_MB_145_1  -  [NPTH]  172.49 24.42 0 top
KiKit_MB_145_2  -  [NPTH]  172.08 25.4 0 top
KiKit_MB_145_3  -  [NPTH]  171.67 26.38 0 top
KiKit_MB_145_4  -  [NPTH]  171.26 27.36 0 top
KiKit_MB_145_5  -  [NPTH]  170.85 28.34 0 top
KiKit_MB_146_1  -  [NPTH]  198.28 28.34 0 top
KiKit_MB_146_2  -  [NPTH]  197.85 27.36 0 top
KiKit_MB_146_3  -  [NPTH]  197.41 26.38 0 top
KiKit_MB_146_4  -  [NPTH]  196.98 25.41 0 top
KiKit_MB_146_5  -  [NPTH]  196.54 24.43 0 top
KiKit_MB_147_1  -  [NPTH]  176.53 38.52 0 top
KiKit_MB_147_2  -  [NPTH]  177.63 38.88 0 top
KiKit_MB_147_3  -  [NPTH]  178.6 39.63 0 top
KiKit_MB_147_4  -  [NPTH]  179.58 40.37 0 top
KiKit_MB_147_5  -  [NPTH]  180.56 41.12 0 top
KiKit_MB_148_1  -  [NPTH]  189.02 41.06 0 top
KiKit_MB_148_2  -  [NPTH]  189.98 40.31 0 top
KiKit_MB_148_3  -  [NPTH]  190.94 39.56 0 top
KiKit_MB_148_4  -  [NPTH]  191.9 38.81 0 top
KiKit_MB_148_5  -  [NPTH]  193.05 38.71 0 top
KiKit_MB_149_1  -  [NPTH]  180.55 11.49 0 top
KiKit_MB_149_2  -  [NPTH]  179.61 12.3 0 top
KiKit_MB_149_3  -  [NPTH]  178.67 13.1 0 top
KiKit_MB_149_4  -  [NPTH]  177.73 13.91 0 top
KiKit_MB_149_5  -  [NPTH]  176.79 14.72 0 top
KiKit_MB_150_2  -  [NPTH]  191.85 14.64 0 top
KiKit_MB_150_3  -  [NPTH]  190.91 13.85 0 top
KiKit_MB_150_4  -  [NPTH]  189.97 13.05 0 top
KiKit_MB_150_5  -  [NPTH]  189.03 12.26 0 top
KiKit_MB_151_2  -  [NPTH]  0.5 199.04 0 top
KiKit_MB_151_3  -  [NPTH]  1.5 199.04 0 top
KiKit_MB_151_4  -  [NPTH]  2.5 199.04 0 top
KiKit_MB_151_5  -  [NPTH]  3.5 199.04 0 top
KiKit_MB_151_6  -  [NPTH]  4.5 199.04 0 top
KiKit_MB_152_2  -  [NPTH]  0.5 8 0 top
KiKit_MB_152_3  -  [NPTH]  1.5 8 0 top
KiKit_MB_152_4  -  [NPTH]  2.5 8 0 top
KiKit_MB_152_5  -  [NPTH]  3.5 8 0 top
KiKit_MB_152_6  -  [NPTH]  4.5 8 0 top
KiKit_MB_153_2  -  [NPTH]  207.04 199.04 0 top
KiKit_MB_153_3  -  [NPTH]  208.04 199.04 0 top
KiKit_MB_153_4  -  [NPTH]  209.04 199.04 0 top
KiKit_MB_153_5  -  [NPTH]  210.04 199.04 0 top
KiKit_MB_153_6  -  [NPTH]  211.04 199.04 0 top
KiKit_MB_154_2  -  [NPTH]  207.04 8 0 top
KiKit_MB_154_3  -  [NPTH]  208.04 8 0 top
KiKit_MB_154_4  -  [NPTH]  209.04 8 0 top
KiKit_MB_154_5  -  [NPTH]  210.04 8 0 top
KiKit_MB_154_6  -  [NPTH]  211.04 8 0 top
KiKit_TO_1  -  [NPTH#2]  2.5 204.54 0 top
KiKit_TO_2  -  [NPTH#2]  209.04 204.54 0 top
KiKit_TO_3  -  [NPTH#2]  2.5 2.5 0 top
KiKit_TO_4  -  [NPTH#2]  209.04 2.5 0 top
RN1  330  [R_Array_Convex_4x0603]  137.72 58.53 0 bottom
RN1#2  330  [R_Array_Convex_4x0603]  19.19 19.93 0 bottom
RN1#3  330  [R_Array_Convex_4x0603]  98.21 135.75 0 bottom
RN1#4  330  [R_Array_Convex_4x0603]  98.21 19.93 0 bottom
RN1#5  330  [R_Array_Convex_4x0603]  137.72 135.75 0 bottom
RN1#6  330  [R_Array_Convex_4x0603]  177.23 135.75 0 bottom
RN1#7  330  [R_Array_Convex_4x0603]  58.7 97.14 0 bottom
RN1#8  330  [R_Array_Convex_4x0603]  19.19 97.14 0 bottom
RN1#9  330  [R_Array_Convex_4x0603]  58.7 58.53 0 bottom
RN1#10  330  [R_Array_Convex_4x0603]  58.7 135.75 0 bottom
RN1#11  330  [R_Array_Convex_4x0603]  137.72 97.14 0 bottom
RN1#12  330  [R_Array_Convex_4x0603]  19.19 174.36 0 bottom
RN1#13  330  [R_Array_Convex_4x0603]  177.23 97.14 0 bottom
RN1#14  330  [R_Array_Convex_4x0603]  137.72 19.93 0 bottom
RN1#15  330  [R_Array_Convex_4x0603]  58.7 174.36 0 bottom
RN1#16  330  [R_Array_Convex_4x0603]  177.23 174.36 0 bottom
RN1#17  330  [R_Array_Convex_4x0603]  19.19 135.75 0 bottom
RN1#18  330  [R_Array_Convex_4x0603]  98.21 58.53 0 bottom
RN1#19  330  [R_Array_Convex_4x0603]  58.7 19.93 0 bottom
RN1#20  330  [R_Array_Convex_4x0603]  177.23 19.93 0 bottom
RN1#21  330  [R_Array_Convex_4x0603]  98.21 174.36 0 bottom
RN1#22  330  [R_Array_Convex_4x0603]  19.19 58.53 0 bottom
RN1#23  330  [R_Array_Convex_4x0603]  177.23 58.53 0 bottom
RN1#24  330  [R_Array_Convex_4x0603]  98.21 97.14 0 bottom
RN1#25  330  [R_Array_Convex_4x0603]  137.72 174.36 0 bottom
U1  CH32V003FxPx  [TSSOP-20_4.4x6.5mm_P0.65mm]  26.74 23.74 270 bottom
U1#2  CH32V003FxPx  [TSSOP-20_4.4x6.5mm_P0.65mm]  66.25 23.74 270 bottom
U1#3  CH32V003FxPx  [TSSOP-20_4.4x6.5mm_P0.65mm]  66.25 100.95 270 bottom
U1#4  CH32V003FxPx  [TSSOP-20_4.4x6.5mm_P0.65mm]  66.25 178.17 270 bottom
U1#5  CH32V003FxPx  [TSSOP-20_4.4x6.5mm_P0.65mm]  26.74 62.35 270 bottom
U1#6  CH32V003FxPx  [TSSOP-20_4.4x6.5mm_P0.65mm]  184.78 62.35 270 bottom
U1#7  CH32V003FxPx  [TSSOP-20_4.4x6.5mm_P0.65mm]  66.25 62.35 270 bottom
U1#8  CH32V003FxPx  [TSSOP-20_4.4x6.5mm_P0.65mm]  184.78 23.74 270 bottom
U1#9  CH32V003FxPx  [TSSOP-20_4.4x6.5mm_P0.65mm]  105.76 62.35 270 bottom
U1#10  CH32V003FxPx  [TSSOP-20_4.4x6.5mm_P0.65mm]  105.76 100.95 270 bottom
U1#11  CH32V003FxPx  [TSSOP-20_4.4x6.5mm_P0.65mm]  105.76 139.56 270 bottom
U1#12  CH32V003FxPx  [TSSOP-20_4.4x6.5mm_P0.65mm]  26.74 139.56 270 bottom
U1#13  CH32V003FxPx  [TSSOP-20_4.4x6.5mm_P0.65mm]  184.78 100.95 270 bottom
U1#14  CH32V003FxPx  [TSSOP-20_4.4x6.5mm_P0.65mm]  105.76 23.74 270 bottom
U1#15  CH32V003FxPx  [TSSOP-20_4.4x6.5mm_P0.65mm]  184.78 139.56 270 bottom
U1#16  CH32V003FxPx  [TSSOP-20_4.4x6.5mm_P0.65mm]  145.27 23.74 270 bottom
U1#17  CH32V003FxPx  [TSSOP-20_4.4x6.5mm_P0.65mm]  184.78 178.17 270 bottom
U1#18  CH32V003FxPx  [TSSOP-20_4.4x6.5mm_P0.65mm]  145.27 62.35 270 bottom
U1#19  CH32V003FxPx  [TSSOP-20_4.4x6.5mm_P0.65mm]  105.76 178.17 270 bottom
U1#20  CH32V003FxPx  [TSSOP-20_4.4x6.5mm_P0.65mm]  26.74 100.95 270 bottom
U1#21  CH32V003FxPx  [TSSOP-20_4.4x6.5mm_P0.65mm]  66.25 139.56 270 bottom
U1#22  CH32V003FxPx  [TSSOP-20_4.4x6.5mm_P0.65mm]  26.74 178.17 270 bottom
U1#23  CH32V003FxPx  [TSSOP-20_4.4x6.5mm_P0.65mm]  145.27 100.95 270 bottom
U1#24  CH32V003FxPx  [TSSOP-20_4.4x6.5mm_P0.65mm]  145.27 139.56 270 bottom
U1#25  CH32V003FxPx  [TSSOP-20_4.4x6.5mm_P0.65mm]  145.27 178.17 270 bottom

## Library data of the parts
C1 C1#2-C1#25 = -: Description: Unpolarized capacitor, small symbol
